# Altium PCB CL-HC-M-V2.1gerber.PcbDoc (part 12 of 16) (continued)
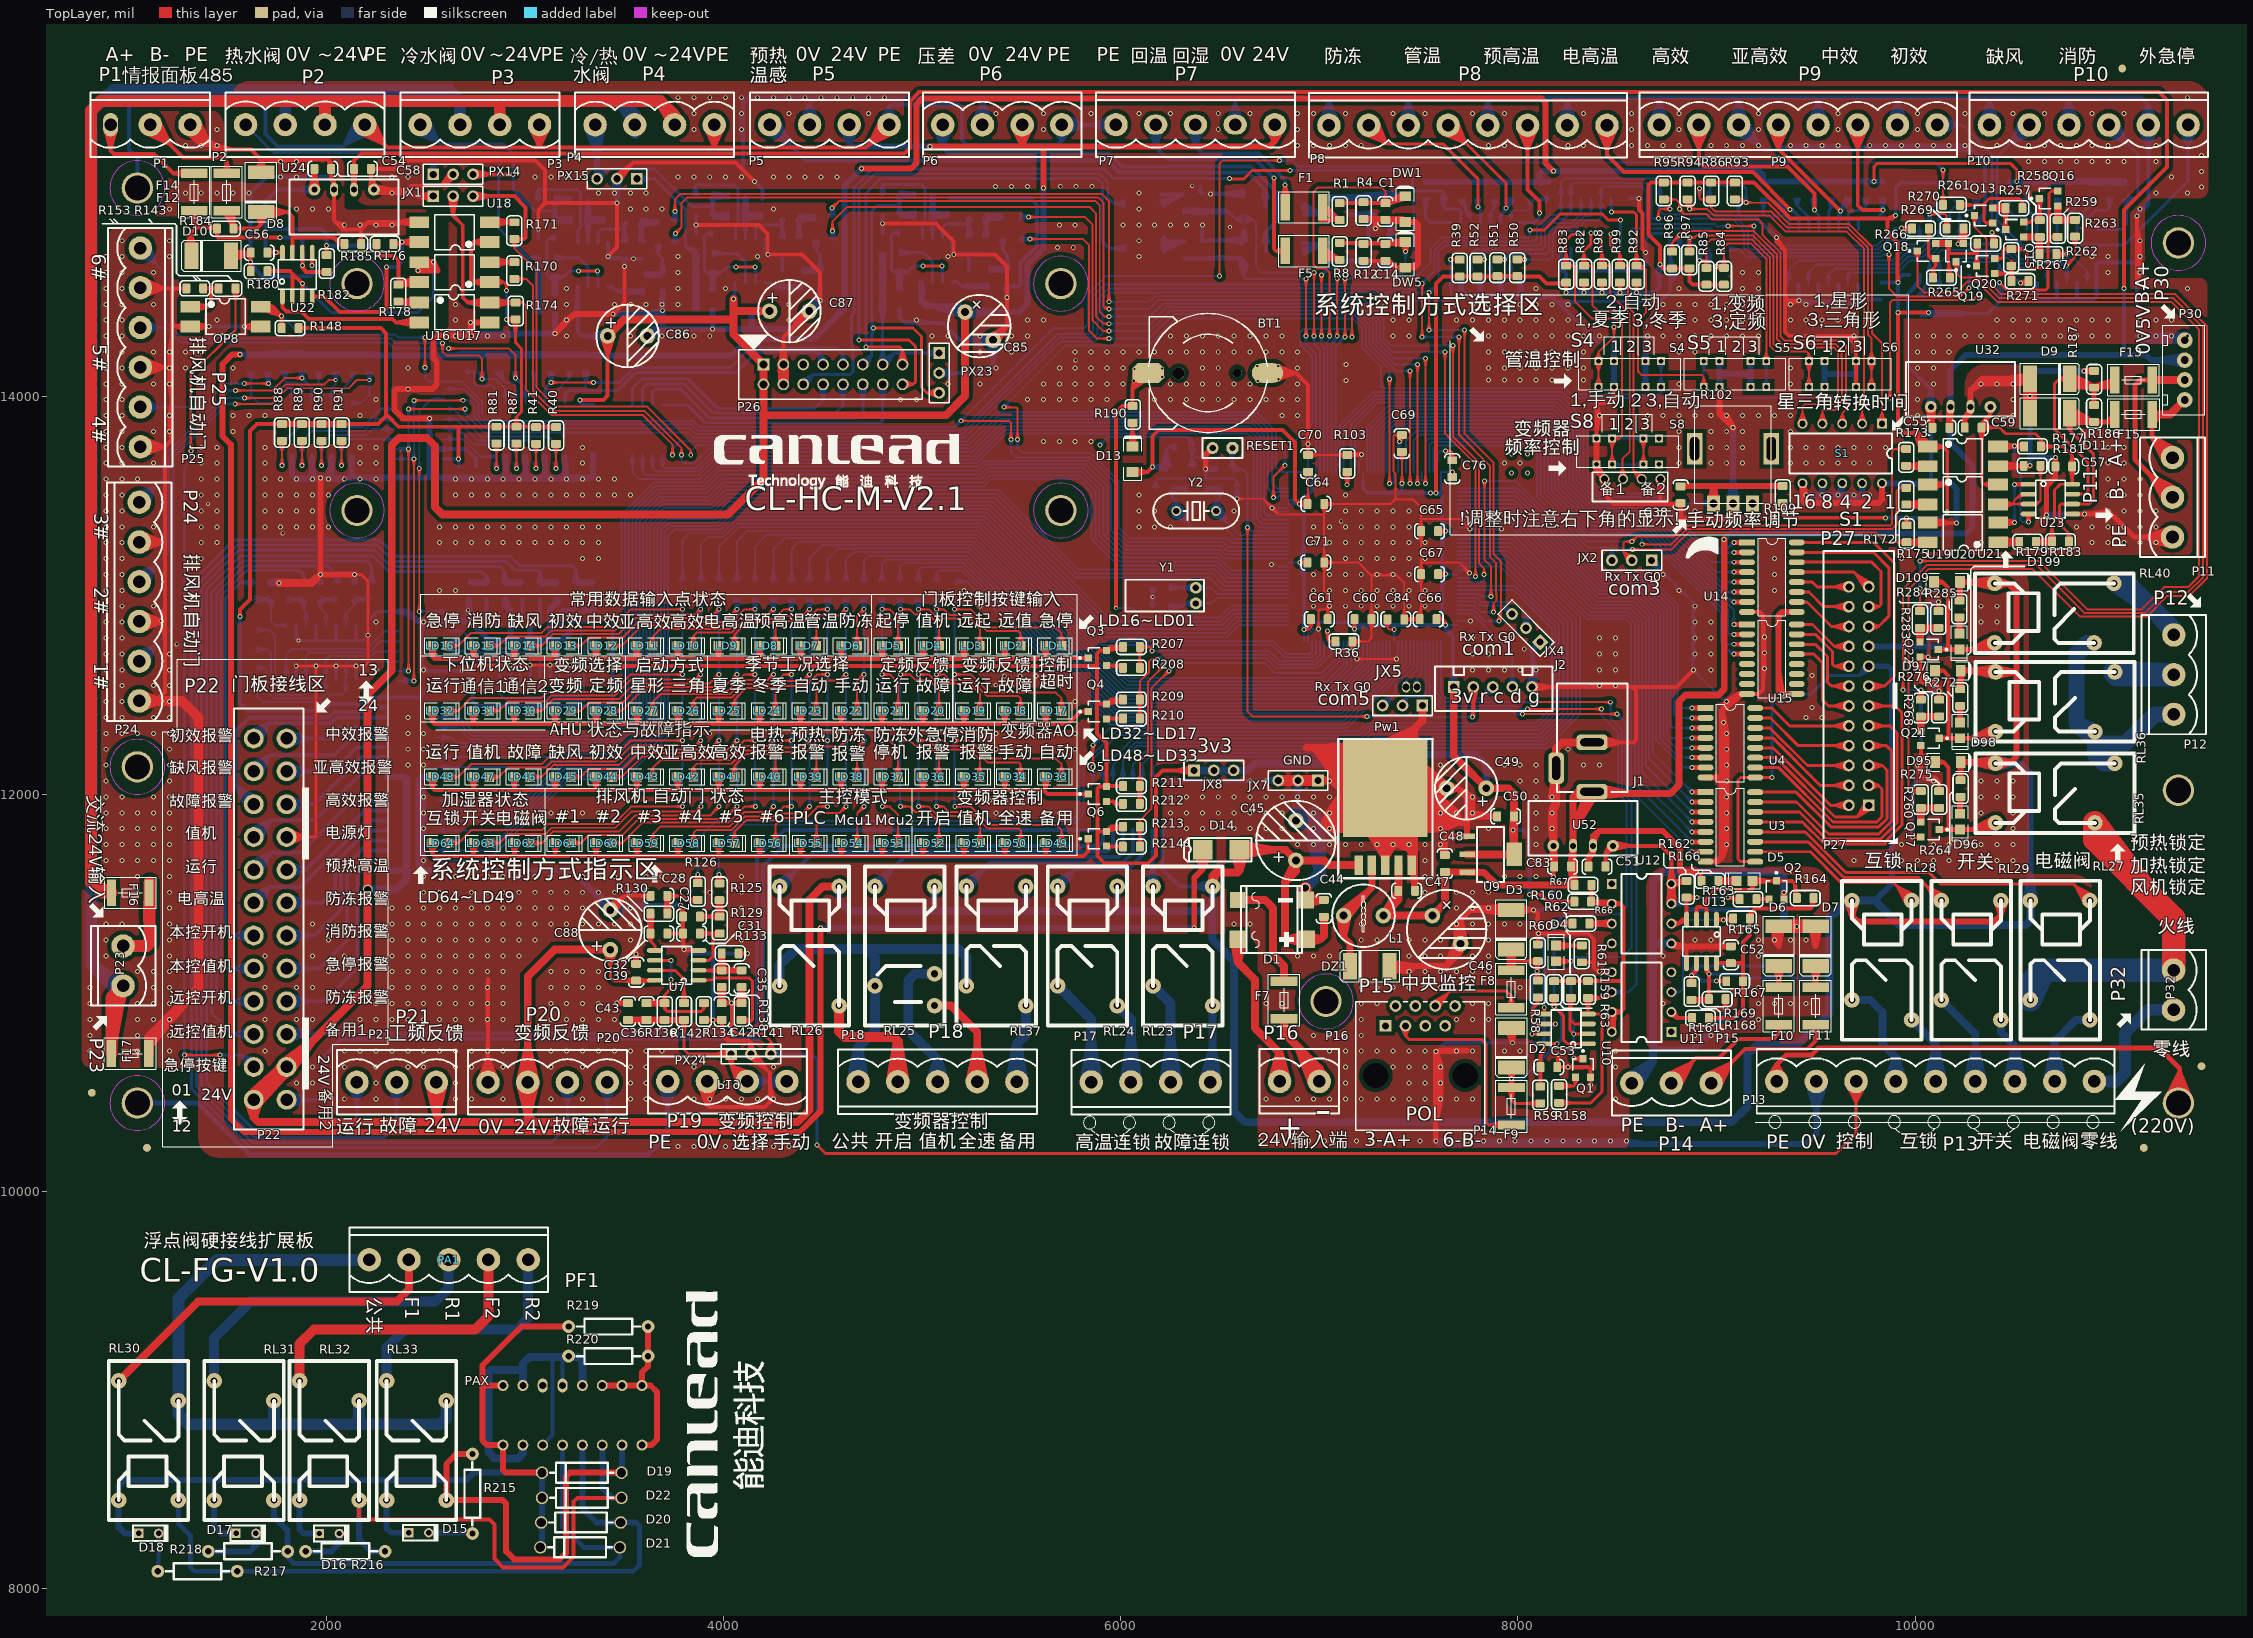
[diagram p0: TopLayer view]
## Nets (pads, with @x,y where several pads share a name; then routed paths per layer and width w, separated by ;. In a path a pad name is that pad's centre, name@x,y a point inside that pad or via, vN(x,y) a via of type N, cw(c..) or ccw(c..) an arc to the next point about the centre after c; other vN are vias at no path point) (continued)
NetD1_1: D1.1 F7.2 | length 585.4
  TopLayer w40: D1.1@6590.13,11466.78 6727.59,11466.78 6767.47,11426.9 6767.47,11189.95 6822.38,11135.04 F7.2@6822.38,11058.15
NetD2_K: D2.K F9.2 R58.2 R59.2 U10.6 | length 1871.1
  TopLayer w15: D2.K@7940.75,10616.48 v1(7967.38,10568.36) ; F9.2@7951.38,10521.37 7967.38,10458.04 ; F9.2@7951.51,10526.25 v1(7967.38,10568.36) ; D2.K@7954.96,10621.94 v1(7967.38,10568.36) ; D2.K@7967.38,10623.36 v1(7967.38,10568.36) ; D2.K@7979.79,10621.94 v1(7967.38,10568.36) ; F9.2@7983.24,10526.25 v1(7967.38,10568.36) ; F9.2@7983.37,10521.37 7967.38,10458.04 ; D2.K@7994,10616.48 v1(7967.38,10568.36) ; R58.2@8087.63,10973.86 8099.85,10946.68 ; U10.6@8104.38,10843.36 8081.75,10843.36 ; R59.2@8106.17,10430.92 8042.38,10443.36 ; R59.2@8106.17,10455.8 8042.38,10443.36 ; R59.2@8107.38,10443.36 8042.38,10443.36 ; R58.2@8112.08,10973.86 8099.85,10946.68 ; R59.2@8112.38,10443.36 7982.06,10443.36 7967.38,10458.04 ; 7967.38,10458.04 F9.2@7967.38,10523.36 v1(7967.38,10568.36) ; 8081.75,10843.36 8067.38,10857.73 8067.38,10914.2 8099.85,10946.68 ; 8081.75,10843.36 U10.6@8132.38,10843.36 ; 8099.85,10946.68 R58.2@8099.85,10976.48 8099.85,10946.68 ; U10.6@8132.38,10843.36 v1@8187.76,10843.36 ; U10.6@8132.38,10843.36 v1(8188.53,10842.59) ; v1@8187.76,10843.36 v1(8188.53,10842.59) ; v1@8187.76,10843.36 8160.38,10843.36 v1(8188.53,10842.59)
  BottomLayer w15: v1(7967.38,10568.36) 8023.41,10568.36 8162.38,10707.32 8162.38,10816.43 ; 8162.38,10816.43 v1(8188.53,10842.59) 8162.38,10816.43
NetD3_K: D3.K F8.2 R58.1 R60.2 U10.7 | length 3073.1
  TopLayer w15: D3.K@7939.37,11212.92 7966.46,11137.65 ; F8.2@7950.34,11113.1 7959.51,11181.75 ; F8.2@7950.45,11111.01 7950.4,11182.28 ; F8.2@7950.45,11114.74 7966.46,11181.47 F8.2@7982.47,11114.74 ; F8.2@7950.72,11116.32 7973.42,11181.75 ; F8.2@7951.27,11118.23 7982.53,11182.28 ; D3.K@7954,11216.67 7966.46,11137.65 ; D3.K@7966.46,11217.65 F8.2@7966.46,11112.85 ; 7966.94,11158.84 R60.2@8099.85,11158.84 ; D3.K@7978.92,11216.67 7966.46,11137.65 ; F8.2@7981.66,11118.23 7950.4,11182.28 ; F8.2@7982.21,11116.32 7959.51,11181.75 ; F8.2@7982.48,11111.01 7982.53,11182.28 ; F8.2@7982.58,11113.1 7973.42,11181.75 ; D3.K@7993.55,11212.92 7966.46,11137.65 ; R60.2@8093.65,11146.39 8029.85,11158.84 ; R60.2@8093.65,11171.28 8029.85,11158.84 ; R60.2@8094.85,11158.84 8029.85,11158.84 ; U10.7@8104.38,10793.36 v1(8071.54,10793.36) U10.7@8132.38,10793.36 ; 7950.4,11182.28 F8.2@7966.46,11112.85 ; F8.2@7951.22,11118.09 7966.46,11137.65 ; F8.2@7951.22,11118.09 7966.46,11137.65 ; F8.2@7951.22,11118.09 7966.46,11137.65 ; F8.2@7951.22,11118.09 7966.46,11137.65 ; 7959.51,11181.75 F8.2@7966.46,11112.85 ; F8.2@7966.46,11112.85 7982.53,11182.28 ; F8.2@7966.46,11112.85 7966.46,11137.65 ; F8.2@7966.46,11112.85 7966.46,11137.65 ; F8.2@7966.46,11112.85 7973.42,11181.75 ; F8.2@7966.46,11112.85 7966.46,11137.65 ; F8.2@7966.46,11112.85 7966.46,11137.65 ; 7966.46,11137.65 F8.2@7981.71,11118.09 ; 7966.46,11137.65 F8.2@7981.71,11118.09 ; 7966.46,11137.65 F8.2@7981.71,11118.09 ; 7966.46,11137.65 F8.2@7981.71,11118.09 ; v1(8096.23,11108.36) v1@8099.85,11108.36 ; v1(8096.23,11108.36) R58.1@8099.85,11061.48 v1@8099.85,11108.36 ; v1(8096.23,11108.36) R60.2@8099.85,11158.84 ; v1(8096.23,11108.36) 8112.26,11157.29 v1@8099.85,11108.36 ; v1(8096.23,11108.36) 8112.24,11063.15 v1@8099.85,11108.36 ; v1(8096.23,11108.36) 8087.45,11157.29 v1@8099.85,11108.36 ; v1(8096.23,11108.36) 8087.46,11063.15 v1@8099.85,11108.36 ; v1@8099.85,11108.36 R60.2@8099.85,11158.84
  BottomLayer w15: v1(8071.54,10793.36) 8071.54,11083.66 ; 8071.54,11083.66 v1(8096.23,11108.36) 8071.54,11083.66
NetD4_K: D4.K R61.1 | length 379.4
  TopLayer w20: D4.K@8192.38,11238.69 R61.1@8321.76,11238.69 ; D4.K@8193.7,11223.75 8277.38,11238.69 D4.K@8193.7,11253.64 ; 8236.76,11238.69 R61.1@8316.76,11238.69
NetD5_A: D5.A Q2.1 R164.2 U13.2 U13.3 | length 1221.5
  TopLayer w15: 8949.03,11426.27 8944.59,11430.71 8944.59,11469.62 8996.13,11521.16 9179.88,11521.16 9181.04,11522.32 ; D5.A@9163.93,11559.96 9181.04,11522.32 ; D5.A@9198.14,11559.96 9181.04,11522.32 ; 9181.04,11522.32 D5.A@9181.04,11563.66 9181.04,11522.32
  TopLayer w20: U13.3@8899.03,11368.36 8899.03,11425.23 ; U13.3@8899.03,11396.36 8899.03,11425.23 ; 8944.59,11430.71 8904.52,11430.71 8899.03,11425.23 ; U13.2@8949.03,11368.36 8949.03,11426.27 U13.2@8949.03,11396.36 ; D5.A@9181.04,11563.66 Q2.1@9301.04,11563.66 9380.87,11563.66 9394.37,11550.16 ; D5.A@9182.36,11548.72 9266.04,11563.66 D5.A@9182.36,11578.6 ; R164.2@9394.37,11476.82 9394.37,11550.16 ; R164.2@9403.75,11481.82 9394.37,11550.16
NetD5_K: D5.K R166.1 | length 952.5
  TopLayer w15: R166.1@9008.65,11563.66 D5.K@9101.04,11563.66 ; R166.1@9009.86,11551.22 9073.65,11563.66 ; R166.1@9009.86,11576.1 9073.65,11563.66 ; D5.K@9096.84,11546.67 9030.57,11572.06 ; D5.K@9096.84,11580.65 9030.57,11555.26 ; D5.K@9098.85,11546.3 9031.04,11563.66 D5.K@9098.85,11581.02 ; D5.K@9100.95,11546.16 9030.57,11555.26 ; D5.K@9100.95,11581.16 9030.57,11572.06 ; 9030.57,11555.26 D5.K@9101.04,11563.66 ; 9030.57,11572.06 D5.K@9101.04,11563.66 ; 9073.65,11563.66 9095.45,11547.08 9073.65,11563.66 ; 9073.65,11563.66 9095.45,11580.24 9073.65,11563.66 ; 9073.65,11563.66 D5.K@9101.04,11563.66 ; 9073.65,11563.66 D5.K@9101.04,11563.66
NetD6_K: D6.K F10.2 R168.1 R169.2 U13.7 | length 1502
  TopLayer w20: R169.2@8960.76,10968.36 v1(8960.76,11095.67) ; R169.2@8960.76,10973.36 8960.76,11053.36 ; 8960.76,11023.17 v1(8960.76,11095.67) ; 8949.03,11107.39 v1(8960.76,11095.67) ; 8949.03,11107.39 U13.7@8949.03,11148.36 v1(8960.76,11095.67) ; 8949.03,11107.39 U13.7@8949.03,11120.36 ; 8949.03,11107.39 U13.7@8949.03,11120.36 ; U13.7@8949.03,11120.36 v1(8960.76,11095.67) ; U13.7@8949.03,11120.36 v1(8960.76,11095.67) ; U13.7@8949.03,11120.36 v1(8960.76,11095.67) ; U13.7@8949.03,11120.36 v1(8960.76,11095.67)
  TopLayer w30: D6.K@9293.18,11131.83 v1(9312.92,11073.51) ; F10.2@9312.92,11027.85 v1(9312.92,11073.51) ; D6.K@9312.92,11135.08 v1(9312.92,11073.51) ; D6.K@9332.65,11131.83 v1(9312.92,11073.51) ; R168.1@8874.29,10963.36 8955.76,10963.36 8879.29,10963.36 R169.2@8960.76,10968.36 R168.1@8874.29,10963.36
  BottomLayer w15: v1(8960.76,11095.67) 9134,11095.67 9156.15,11073.51 v1(9312.92,11073.51) 9255.42,11073.51
NetD7_K: D7.K F11.2 R167.2 R168.2 U13.6 | length 1412
  TopLayer w20: U13.6@8899.03,11120.36 v1(8874.29,11087.58) ; U13.6@8899.03,11148.36 8899.03,11112.33 v1(8874.29,11087.58) ; v1(8874.29,11087.58) R168.2@8874.29,11048.36 v1(8874.29,11087.58) ; v1(8999.24,11058.15) R167.2@9048.56,11058.15 v1(8999.24,11058.15)
  TopLayer w30: D7.K@9478.73,11131.41 v1(9498.46,11074.3) ; F11.2@9498.46,11027.48 v1(9498.46,11074.3) ; D7.K@9498.46,11134.72 v1(9498.46,11074.3) ; D7.K@9518.18,11131.41 v1(9498.46,11074.3)
  BottomLayer w15: v1(8874.29,11087.58) 8874.29,11121.71 8886.46,11133.88 9326.55,11133.88 9386.13,11074.3 v1(9498.46,11074.3)
  BottomLayer w20: v1(8874.29,11087.58) 8900.26,11087.58 8929.69,11058.15 ; 8929.69,11058.15 v1(8999.24,11058.15) 8929.69,11058.15
NetD8_K: D8.K F12.2 R184.1 R185.2 U22.7 | length 2090.5
  TopLayer w20: F12.2@1487.27,14930.83 R184.1@1534.6,14846.7 ; F12.2@1491.12,14923.99 R184.1@1534.6,14851.7 ; F12.2@1499.59,14936.66 R184.1@1534.6,14846.7 ; F12.2@1503.11,14927.61 R184.1@1534.6,14851.7 ; F12.2@1512.6,14940.69 R184.1@1534.6,14846.7 ; F12.2@1515.07,14930.12 R184.1@1534.6,14851.7 ; F12.2@1534.6,14931.7 R184.1@1534.6,14851.7 ; F12.2@1534.6,14941.87 R184.1@1534.6,14846.7 ; D8.K@1647.86,14925.74 1672.38,14866.72 ; D8.K@1696.89,14925.74 1672.38,14866.72 ; D8.K@1704.3,14930.63 1799.3,14930.63 ; D8.K@1707.59,14905.84 1799.3,14930.63 ; D8.K@1707.59,14955.41 1799.3,14930.63 ; U22.7@1829.78,14725.9 1829.78,14802.15 ; U22.7@1829.78,14753.9 1829.78,14802.15 ; R185.2@2091.49,14774.93 2036.47,14802.15 ; R184.1@1534.6,14846.7 1652.35,14846.7 1672.38,14866.72 ; 1672.38,14866.72 D8.K@1672.38,14930.63 1805.91,14930.63 1829.78,14906.76 1829.78,14802.15 ; 1829.78,14802.15 2036.47,14802.15 ; 2036.47,14802.15 2068.68,14769.93 ; 2068.68,14769.93 R185.2@2091.49,14769.93 2068.68,14769.93
NetD9_K: D9.K F13.2 R186.1 R187.2 U23.7 | length 2517.4
  TopLayer w15: D9.K@10770.5,14065.03 10727.59,14091.48 ; D9.K@10770.5,14117.94 10727.59,14091.48 ; D9.K@10776.45,14079.08 10727.59,14091.48 ; D9.K@10776.45,14103.89 10727.59,14091.48 ; D9.K@10778,14091.48 10727.59,14091.48 ; U23.7@10790.81,13510.1 10856.2,13510.1 ; U23.7@10818.81,13510.1 10856.2,13510.1 ; 10727.59,14091.48 10700.41,14064.31 10700.41,13839.31 10870.41,13669.31 10870.41,13524.31 10856.2,13510.1
  TopLayer w25: D9.K@10772.86,14069.58 R187.2@10905.66,14049.99 ; D9.K@10778,14091.48 R187.2@10905.66,14049.99 ; D9.K@10786.73,14112.22 R187.2@10905.66,14049.99 ; D9.K@10787.29,14049.99 10999.18,14049.99 10905.45,14045.98 F13.2@10996.04,14082.54 ; D9.K@10800.25,14049.99 R187.2@10895.45,14045.98 ; D9.K@10801.57,14065.34 R187.2@10895.45,14045.98 ; D9.K@10805.17,14082.65 R187.2@10895.45,14045.98 ; D9.K@10810.85,14099.6 R187.2@10895.45,14045.98 ; R187.2@10887.85,14049.99 F13.2@11004.18,14084.99 ; R186.1@10898.48,13956.75 R186.1@10900.45,13958.72 ; R186.1@10900.45,13958.72 R187.2@10900.45,14045.98 R186.1@10900.45,13958.72
NetD10_K: D10.K F14.2 R182.1 R184.2 U22.6 | length 1956.1
  TopLayer w20: D10.K@1296.43,14743.79 1315.62,14823.08 ; D10.K@1321.34,14709.77 1315.62,14715.5 1315.62,14823.08 ; D10.K@1321.34,14741.7 1315.62,14823.08 ; F14.2@1322.22,14934.09 1344.32,14852.13 ; F14.2@1335.62,14936.57 1344.32,14852.13 ; F14.2@1344.32,14936.57 1344.32,14851.78 ; D10.K@1345.72,14747.26 1315.62,14823.08 ; F14.2@1349.24,14936.87 1344.32,14852.13 ; 1369.05,14851.78 R184.2@1449.6,14846.7 ; R184.2@1449.6,14841.7 1449.6,14806.49 ; v1(1768.77,14801.7) 1454.39,14801.7 1449.6,14806.49 ; U22.6@1879.78,14697.9 v1(1879.78,14660.91) ; U22.6@1879.78,14725.9 v1(1879.78,14660.91) ; 1917.4,14629.18 R182.1@1997.4,14629.18 ; R182.1@2002.4,14629.18 1898.61,14629.18 ; 1315.62,14823.08 1344.32,14851.78 ; 1344.32,14851.78 1444.52,14851.78 R184.2@1449.6,14846.7 ; 1449.6,14806.49 R184.2@1449.6,14846.7 ; 1879.78,14648.01 1898.61,14629.18 ; 1879.78,14648.01 v1(1879.78,14660.91) ; 1879.78,14648.01 v1(1879.78,14660.91) ; 1879.78,14648.01 v1(1879.78,14660.91) ; v1(1879.78,14660.91) 1898.61,14629.18
  BottomLayer w20: v1(1768.77,14801.7) 1864.67,14801.7 1879.78,14786.6 v1(1879.78,14660.91)
NetD11_K: D11.K F15.2 R183.1 R186.2 U23.6 | length 2405.2
  TopLayer w15: D11.K@10751.42,13878.19 10778,13831.72 ; R183.1@10761.9,13279.45 10774.2,13312.71 ; U23.6@10762.81,13460.1 10733.75,13460.1 ; D11.K@10765.59,13883.79 10778,13831.72 ; R183.1@10774.2,13272.25 10774.2,13312.71 ; R183.1@10774.2,13277.25 10774.2,13312.71 ; D11.K@10778,13871.45 10778,13831.72 ; D11.K@10778,13885.25 10778,13831.72 ; R183.1@10786.51,13279.45 10774.2,13312.71 ; D11.K@10790.42,13883.79 10778,13831.72 ; D11.K@10804.58,13878.19 10778,13831.72 ; U23.6@10818.81,13460.1 10875.81,13460.1 ; 10733.75,13460.1 U23.6@10790.81,13460.1 10876.2,13460.1 10898.48,13482.37 10898.48,13711.24 10778,13831.72 ; 10733.75,13460.1 10726.14,13452.5 10726.14,13360.77 10774.2,13312.71
  TopLayer w25: D11.K@10771.97,13895.5 R186.2@10900.41,13871.45 ; D11.K@10778,13871.45 R186.2@10900.41,13871.45 ; D11.K@10778,13917.18 R186.2@10900.41,13871.45 ; D11.K@10787.66,13937.5 R186.2@10900.41,13871.45 ; D11.K@10800.38,13871.45 R186.2@10895.45,13873.72 ; D11.K@10801.34,13890 R186.2@10895.45,13873.72 ; D11.K@10804.55,13907.26 R186.2@10895.45,13873.72 ; D11.K@10809.92,13924.46 R186.2@10895.45,13873.72 ; R186.2@10905.45,13873.72 10965.97,13873.72 ; F15.2@11003.7,13868.15 10965.97,13873.72 ; F15.2@11003.7,13911.45 10965.97,13873.72 ; R186.2@10900.41,13871.45 R186.2@10900.45,13873.72 10965.97,13873.72
NetD13_2: D13.2 R190.1 | length 288.1
  TopLayer w20: D13.2@6045.52,13752.45 6060.46,13836.13 D13.2@6075.4,13752.45 ; D13.2@6060.46,13751.13 R190.1@6060.46,13869.25
NetD15_K: D15.K R215.1 | length 221.6
  BottomLayer w30: D15.K@2516.39,8281.6 2732.5,8281.6 R215.1@2736.39,8277.71
NetD16_K: D16.K R216.1 | length 236.6
  BottomLayer w30: R216.1@1896.39,8187.71 2026.39,8187.71 2066.39,8227.71 D16.K@2066.39,8277.71
NetD17_K: D17.K R217.1 | length 312.9
  BottomLayer w30: R217.1@1406.39,8187.71 1616.39,8187.71 1646.39,8217.71 D17.K@1646.39,8278.23
NetD18_K: D18.K R218.1 | length 192.2
  BottomLayer w20: R218.1@1152.37,8087.71 1156.39,8091.73 D18.K@1156.39,8278.23
NetD37_K: 
NetD38_K: 
NetD39_K: 
NetD40_K: 
NetD41_K: 
NetD42_K: 
NetD43_K: 
NetD44_K: 
NetD45_K: 
NetD46_K: 
NetD47_K: 
NetD48_K: 
NetD49_K: 
NetD50_K: 
NetD51_K: 
NetD52_K: 
NetD53_K: 
NetD54_K: 
NetD55_K: 
NetD61_K: 
NetD65_K: 
NetD67_K: 
NetD95_A: D95.A D96.K Q17.1 RL35.2 | length 1338.2
  TopLayer w20: D95.A@10099.38,12161.36 10141.38,12161.36 ; D95.A@10102.05,12146.6 10141.38,12161.36 ; D95.A@10102.05,12176.12 10141.38,12161.36 ; 10167.99,11824.97 10167.99,12134.74 10141.38,12161.36
  TopLayer w25: D96.K@10214.35,11821.36 10121.64,11821.36 10167.99,11824.97 Q17.1@10120.65,11821.36 D96.K@10226.39,11821.36 10370.73,11821.36 RL35.2@10404.37,11855 10282.07,11821.36 ; RL35.2@10394.53,11880 10282.07,11821.36 ; RL35.2@10408.71,11828.48 10282.07,11821.36
NetD96_A: D96.A R264.2 | length 168.9
  TopLayer w30: D96.A@10226.39,11901.36 10226.39,11983.36 R264.2@10228.39,11985.36 D96.A@10226.39,11901.36
NetD97_A: D97.A D98.K Q21.1 RL36.2 | length 1338.2
  TopLayer w20: D97.A@10099.38,12621.37 10141.38,12621.37 ; D97.A@10102.05,12606.61 10141.38,12621.37 ; D97.A@10102.05,12636.13 10141.38,12621.37 ; 10167.99,12284.99 10167.99,12594.76 10141.38,12621.37
  TopLayer w25: D98.K@10214.35,12281.37 10121.64,12281.37 10167.99,12284.99 Q21.1@10120.65,12281.37 D98.K@10226.39,12281.37 10370.73,12281.37 RL36.2@10404.37,12315.01 10282.07,12281.37 ; RL36.2@10394.53,12340.02 10282.07,12281.37 ; RL36.2@10408.71,12288.49 10282.07,12281.37
NetD98_A: D98.A R272.2 | length 82
  TopLayer w30: D98.A@10226.39,12361.37 R272.2@10226.39,12443.37
NetD109_A: D109.A D199.K Q22.1 RL40.2 | length 1338.2
  TopLayer w20: D109.A@10095.32,13067.82 10137.32,13067.82 ; D109.A@10098,13053.06 10137.32,13067.82 ; D109.A@10098,13082.58 10137.32,13067.82 ; 10163.94,12731.43 10163.94,13041.2 10137.32,13067.82
  TopLayer w25: D199.K@10210.3,12727.82 10117.58,12727.82 10163.94,12731.43 Q22.1@10116.6,12727.82 D199.K@10222.34,12727.82 10366.67,12727.82 RL40.2@10400.31,12761.46 10278.02,12727.82 ; RL40.2@10390.48,12786.46 10278.02,12727.82 ; RL40.2@10404.65,12734.94 10278.02,12727.82
NetD110_A: 
NetD199_A: D199.A R285.2 | length 82
  TopLayer w30: D199.A@10222.34,12807.82 R285.2@10222.34,12889.82
NetDZ1_K: DZ1.K L1.1 Pw1.2 | length 1284.9
  TopLayer w35: L1.1@7100.62,11386.15 7122.38,11280.09 ; L1.1@7108,11404.84 7235.99,11501.97 L1.1@7138.86,11373.98 ; L1.1@7144.13,11386.15 7122.38,11280.09 ; DZ1.K@7153.77,11134.27 7153.77,11248.69 ; DZ1.K@7153.77,11166.2 7153.77,11248.69 ; Pw1.2@7264.81,11614.69 7264.81,11530.79 ; Pw1.2@7264.81,11642.84 7264.81,11530.79 ; 7122.38,11280.09 7153.77,11248.69 ; 7122.38,11280.09 L1.1@7122.38,11388.36 7264.81,11530.79
NetF1_2: F1.2 R1.2 | length 758.1
  TopLayer w20: F1.2@7003.99,14890.04 R1.2@7102.76,14890.04 ; F1.2@7009.71,14943.69 R1.2@7102.76,14890.04 ; F1.2@7017.25,14955.04 R1.2@7102.76,14890.04 ; F1.2@7017.76,14890.04 R1.2@7097.76,14890.04 ; F1.2@7025.78,14934.42 R1.2@7097.76,14890.04 ; F1.2@7026.16,14965.34 R1.2@7102.76,14890.04 ; F1.2@7029.99,14945.35 R1.2@7097.76,14890.04 ; F1.2@7039.63,14952.1 R1.2@7097.76,14890.04
NetF2_2: F2.2 R2.2 | length 884.3
  BottomLayer w20: F2.2@6210.93,14776.46 6236.73,14782 ; F2.2@6210.95,14782 R2.2@6321.73,14782 ; F2.2@6211.61,14790.07 6236.73,14782 ; F2.2@6218.98,14801.52 6236.73,14782 ; R2.2@6316.73,14782 6236.73,14782 ; R2.2@6307.72,14782 6207.78,14759.83 R2.2@6307.77,14782 ; R2.2@6307.72,14782 6217.14,14734.31 R2.2@6307.77,14782 ; R2.2@6307.72,14782 F2.2@6211.61,14746.76 R2.2@6307.77,14782
NetF3_2: F3.2 R3.2 | length 542.7
  BottomLayer w20: F3.2@6914.27,14944.75 7021.2,14917.19 ; F3.2@6918.48,14957.71 7021.2,14917.19 ; F3.2@6922.38,14917.19 R3.2@7053.81,14917.19 ; F3.2@6924.25,14970.05 7021.2,14917.19 ; 6968.81,14917.19 R3.2@7048.81,14917.19
NetF4_2: F4.2 R7.2 | length 850.2
  BottomLayer w20: F4.2@6912.38,14773.36 R7.2@7043.81,14773.36 ; F4.2@6916.08,14747.16 R7.2@7017.1,14773.36 ; F4.2@6916.78,14747.37 R7.2@7023.04,14769.21 ; F4.2@6925.55,14721.63 R7.2@7023.04,14769.21 ; F4.2@6926.28,14721.96 R7.2@7017.1,14773.36 ; F4.2@6942.91,14773.36 R7.2@7023.04,14769.21 ; R7.2@7017.1,14773.36 F4.2@6920.36,14734.23 R7.2@7023.04,14769.21
NetF5_2: F5.2 R8.2 | length 733.1
  TopLayer w20: F5.2@7012.22,14722.38 R8.2@7102.76,14693.71 ; F5.2@7017.25,14691.73 7042.38,14693.71 ; F5.2@7017.25,14735.04 R8.2@7102.76,14693.71 ; F5.2@7019.89,14705.09 7042.38,14693.71 ; F5.2@7021.2,14719.53 R8.2@7097.76,14690.04 ; F5.2@7021.95,14678.94 7042.38,14693.71 ; F5.2@7024.04,14746.85 R8.2@7102.76,14693.71 ; F5.2@7024.66,14731.45 R8.2@7097.76,14690.04 ; F5.2@7029.13,14743.41 R8.2@7097.76,14690.04 ; R8.2@7102.76,14690.04 R8.2@7102.76,14693.71 ; 7042.38,14693.71 R8.2@7102.76,14693.71 ; 7042.38,14693.71 R8.2@7097.76,14690.04
NetF6_2: F6.2 R9.2 | length 839.2
  BottomLayer w20: F6.2@6202.45,15019.91 R9.2@6313.23,15019.91 ; F6.2@6206.55,14986.61 R9.2@6308.23,15019.91 ; F6.2@6206.65,14986.65 R9.2@6310.6,15019.91 ; F6.2@6218.1,14961.99 R9.2@6310.6,15019.91 ; F6.2@6218.23,14962.06 R9.2@6308.23,15019.91 ; F6.2@6228.23,15019.91 R9.2@6308.23,15019.91 ; R9.2@6308.23,15019.91 F6.2@6211.61,14973.96 R9.2@6310.6,15019.91
NetF16_2: F16.2 P23.2 | length 649
  TopLayer w60: P23.2@977.49,11235.5 1097.02,11235.5 1110.76,11249.24 F16.2@1110.76,11555.62 ; F16.2@1108.01,11460.11 1110.76,11256.47
NetOP1_1: OP1.1 R22.2 | length 463.9
  BottomLayer w15: R22.2@10454.14,14994.16 10463.86,14945.15 ; R22.2@10478.9,14992.79 10463.86,14945.15 ; OP1.1@10563.86,14843.5 10563.86,14895.66 ; 10463.86,14945.15 10498.96,14910.05 10549.47,14910.05 ; 10463.86,14945.15 10463.86,14998.5 R22.2@10466.61,14995.04 10463.86,14945.15 ; 10549.47,14910.05 10563.86,14895.66 ; 10549.47,14910.05 OP1.1@10563.86,14873.5 ; OP1.1@10563.86,14873.5 10563.86,14895.66 ; OP1.1@10563.86,14873.5 10563.86,14895.66
NetOP1_3: OP1.3 R20.2 | length 353.8
  BottomLayer w15: R20.2@10621.48,14996.79 10633.86,14952.81 ; R20.2@10646.24,14996.79 10633.86,14952.81 ; OP1.3@10663.86,14843.5 10663.86,14922.81 ; OP1.3@10663.86,14873.5 10663.86,14922.81 ; 10633.86,14952.81 10663.86,14922.81 ; 10633.86,14952.81 R20.2@10633.86,14998.5 10633.86,14952.81
NetOP1_5: OP1.5 R18.2 | length 354.4
  BottomLayer w15: OP1.5@10763.86,14843.5 10763.86,14908.5 ; OP1.5@10763.86,14873.5 10763.86,14908.5 ; R18.2@10792.31,14996.91 10804.71,14949.35 ; R18.2@10817.1,14996.91 10804.71,14949.35 ; 10763.86,14908.5 10804.71,14949.35 ; 10804.71,14949.35 R18.2@10804.71,14998.5 10804.71,14949.35
NetOP1_7: OP1.7 R10.2 | length 344.6
  BottomLayer w15: OP1.7@10863.86,14843.5 10863.86,14896.6 ; OP1.7@10863.86,14873.5 10863.86,14896.6 ; R10.2@10966.49,14996.68 10978.86,14955.49 ; R10.2@10978.86,14998.5 10978.86,14955.49 ; R10.2@10991.23,14996.68 10978.86,14955.49 ; 10863.86,14896.6 10905.95,14938.69 10962.07,14938.69 10978.86,14955.49
NetOP2_1: OP2.1 R30.2 | length 494.2
  BottomLayer w15: R30.2@9222.4,14997.3 9234.85,14933.5 ; R30.2@9247.29,14997.3 9234.85,14933.5 ; OP2.1@9362.76,14865.04 9364.85,14895.66 ; OP2.1@9364.85,14843.5 9364.85,14895.66 ; 9234.85,14933.5 R30.2@9234.85,14998.5 9234.85,14923.79 9248.59,14910.05 9350.46,14910.05 9364.85,14895.66
NetOP2_3: OP2.3 R28.2 | length 322.9
  BottomLayer w15: R28.2@9392.55,14996.25 9404.85,14963.75 ; R28.2@9417.14,14996.25 9404.85,14963.75 ; OP2.3@9462.76,14865.04 9464.85,14903.76 ; OP2.3@9464.85,14843.5 9464.85,14903.76 ; 9404.85,14963.75 R28.2@9404.85,14998.5 9404.85,14963.75 ; 9404.85,14963.75 9464.85,14903.76
NetOP2_5: OP2.5 R26.2 | length 317.9
  BottomLayer w15: OP2.5@9562.76,14865.04 9564.85,14925.06 ; R26.2@9563.29,14996.91 9575.69,14949.35 ; OP2.5@9564.85,14843.5 9564.85,14938.5 9575.69,14949.35 ; R26.2@9575.69,14998.5 9575.69,14949.35 ; R26.2@9588.09,14996.91 9575.69,14949.35
NetOP2_7: OP2.7 R24.2 | length 369.2
  BottomLayer w15: OP2.7@9662.76,14865.04 9664.85,14925.05 ; OP2.7@9664.85,14843.5 9664.85,14926.6 9676.94,14938.69 9733.05,14938.69 9749.85,14955.49 ; R24.2@9737.48,14996.68 9749.85,14955.49 ; R24.2@9749.85,14998.5 9749.85,14955.49 ; R24.2@9762.21,14996.68 9749.85,14955.49
NetOP3_1: OP3.1 R15.2 | length 365.2
  BottomLayer w15: R15.2@7523.19,14997.58 7535.63,14933.78 R15.2@7548.07,14997.58 ; R15.2@7535.63,14998.78 7535.63,14899.56 7557.95,14877.24 OP3.1@7662.38,14877.24
NetOP3_3: OP3.3 R37.2 | length 647.3
  BottomLayer w10: R37.2@7704.98,14988.19 7740.73,14943.58 ; R37.2@7717.81,14995.95 7740.73,14943.58 ; R37.2@7732.22,15000.11 7740.73,14943.58 ; OP3.3@7753.81,14902.09 7725.57,14958.74 ; OP3.3@7762.38,14877.24 7762.38,14921.94 7712.81,14971.5 ; OP3.3@7762.38,14907.24 7725.57,14958.74 ; OP3.3@7770.03,14913.68 7725.57,14958.74 ; 7712.81,14971.5 R37.2@7712.81,14995.95 ; 7712.81,14971.5 7727.09,14991.35 7712.81,14971.5 ; 7712.81,14971.5 7698.53,14991.35 7712.81,14971.5 ; 7712.81,14971.5 R37.2@7712.81,14995.95 ; 7712.81,14971.5 R37.2@7712.81,14995.95
NetOP3_5: OP3.5 R34.2 | length 332
  BottomLayer w10: OP3.5@7852.6,14909.35 7862.38,14930.97 ; OP3.5@7862.38,14877.24 7862.38,14930.97 ; OP3.5@7862.38,14907.24 7862.38,14930.97 ; R34.2@7868.02,14993.43 7882.81,14951.41 ; OP3.5@7872.15,14909.35 7862.38,14930.97 ; R34.2@7897.6,14993.43 7882.81,14951.41 ; 7862.38,14930.97 7882.81,14951.41 ; 7882.81,14951.41 R34.2@7882.81,14995.95 7882.81,14951.41
NetOP3_7: OP3.7 R32.2 | length 356
  BottomLayer w10: OP3.7@7952.61,14909.38 7962.38,14930.61 ; OP3.7@7962.38,14877.24 7962.38,14930.61 ; OP3.7@7962.38,14907.24 7962.38,14930.61 ; OP3.7@7972.14,14909.38 7962.38,14930.61 ; R32.2@8048.07,14993.18 8062.81,14955.33 ; R32.2@8062.81,14995.95 8062.81,14955.33 ; R32.2@8077.55,14993.18 8062.81,14955.33 ; 7962.38,14930.61 7971.32,14939.56 8047.04,14939.56 8062.81,14955.33
NetOP4_1: OP4.1 R53.2 | length 506.7
  BottomLayer w10: R53.2@2697.38,14128.36 2737.12,14128.36 ; R53.2@2702.38,14128.36 2737.12,14128.36 ; R53.2@2705.61,14113.71 2737.12,14128.36 ; R53.2@2705.61,14143 2737.12,14128.36 ; OP4.1@2842.85,14001.39 2852.76,14037.11 ; OP4.1@2852.76,13970.04 2852.76,14037.11 ; OP4.1@2852.76,14000.04 2852.76,14037.11 ; OP4.1@2862.67,14001.39 2852.76,14037.11 ; 2737.12,14128.36 2743.96,14121.51 2743.96,14068.57 2755.98,14056.55 2833.32,14056.55 2852.76,14037.11
NetOP4_3: OP4.3 R55.2 | length 664.3
  BottomLayer w10: R55.2@2859.46,14120.73 2893.86,14077.23 ; R55.2@2872.38,14128.36 2893.86,14077.23 ; R55.2@2886.86,14132.25 2893.86,14077.23 ; OP4.3@2942.82,14001.15 2952.76,14045.04 ; OP4.3@2952.76,13970.04 2952.76,14054.79 2936.17,14071.39 2899.7,14071.39 2867.38,14103.71 ; OP4.3@2952.76,14000.04 2952.76,14045.04 ; OP4.3@2962.7,14001.15 2952.76,14045.04 ; 2867.38,14103.71 R55.2@2867.38,14128.36 ; 2867.38,14103.71 2881.66,14123.79 2867.38,14103.71 ; 2867.38,14103.71 2853.09,14123.79 2867.38,14103.71 ; 2867.38,14103.71 R55.2@2867.38,14128.36 ; 2867.38,14103.71 R55.2@2867.38,14128.36
NetOP4_5: OP4.5 R17.2 | length 395.5
  BottomLayer w10: R17.2@3032.54,14126.11 3047.38,14078.36 R17.2@3062.21,14126.11 ; OP4.5@3042.82,14001.15 3052.76,14045.04 ; R17.2@3047.38,14128.36 3047.38,14061.91 3052.76,14056.52 OP4.5@3052.76,13970.04 ; OP4.5@3052.76,14000.04 3052.76,14045.04 ; OP4.5@3062.7,14001.15 3052.76,14045.04
NetOP4_7: OP4.7 R16.2 | length 328.9
  BottomLayer w10: OP4.7@3142.97,14002.09 3152.76,14024.4 ; OP4.7@3152.76,13970.04 3152.76,14024.4 ; OP4.7@3152.76,14000.04 3152.76,14024.4 ; OP4.7@3162.55,14002.09 3152.76,14024.4 ; R16.2@3207.74,14125.08 3222.38,14094.01 ; R16.2@3222.38,14128.36 3222.38,14094.01 ; R16.2@3237.01,14125.08 3222.38,14094.01 ; 3152.76,14024.4 3222.38,14094.01
NetOP5_1: OP5.1 R57.2 | length 532.3
  BottomLayer w10: R57.2@1607.54,14126.11 1622.38,14078.36 ; R57.2@1637.21,14126.11 1622.38,14078.36 ; OP5.1@1776.65,13960.1 1732.76,13970.04 OP5.1@1776.65,13979.98 ; OP5.1@1777.76,13970.04 1658.98,13970.04 1622.38,14006.64 R57.2@1622.38,14128.36 1622.38,14078.36
NetOP5_3: OP5.3 R65.2 | length 451.4
  BottomLayer w10: R65.2@1777.58,14127.11 1792.38,14083.74 ; R65.2@1792.38,14129.57 1792.38,14083.74 ; R65.2@1807.17,14127.11 1792.38,14083.74 ; OP5.3@1867.82,14001.15 1877.76,14045.04 ; OP5.3@1877.76,13970.04 1877.76,14049.38 1855.75,14071.39 1804.73,14071.39 1792.38,14083.74 ; OP5.3@1877.76,14000.04 1877.76,14045.04 ; OP5.3@1887.7,14001.15 1877.76,14045.04
NetOP5_5: OP5.5 R73.2 | length 399.7
  BottomLayer w10: R73.2@1947.54,14126.11 1962.38,14078.36 R73.2@1977.21,14126.11 ; R73.2@1962.38,14128.36 1962.38,14071.91 1977.76,14056.52 OP5.5@1977.76,13970.04 ; OP5.5@1967.82,14001.15 1977.76,14045.04 ; OP5.5@1977.76,14000.04 1977.76,14045.04 ; OP5.5@1987.7,14001.15 1977.76,14045.04
NetOP5_7: OP5.7 R79.2 | length 363.2
  BottomLayer w10: OP5.7@2067.86,14001.47 2077.76,14034.89 ; OP5.7@2077.76,13970.04 2077.76,14034.89 ; OP5.7@2077.76,14000.04 2077.76,14034.89 ; OP5.7@2087.66,14001.47 2077.76,14034.89 ; R79.2@2117.66,14125.46 2132.38,14089.5 ; R79.2@2132.38,14128.36 2132.38,14089.5 ; R79.2@2147.09,14125.46 2132.38,14089.5 ; 2077.76,14034.89 2132.38,14089.5
NetOP6_1: OP6.1 R144.2 R154.1 | length 1503.3
  BottomLayer w10: R144.2@1636.9,12980.24 R154.1@1721.9,12980.24 1721.9,12873.86 1745.6,12850.16 OP6.1@1799.37,12850.16 1754.37,12850.16 ; R144.2@1641.66,12965.24 1693.67,12971.93 ; R144.2@1641.66,12995.24 1693.67,12988.56 ; R154.1@1707.06,12977.99 1721.9,12930.24 R154.1@1736.73,12977.99 ; R154.1@1714.65,12965.41 1666.9,12980.24 ; R154.1@1714.65,12995.07 1666.9,12980.24 ; R154.1@1716.9,12980.24 1666.9,12980.24 ; OP6.1@1798.26,12840.22 1754.37,12850.16 ; OP6.1@1798.26,12860.09 1754.37,12850.16 ; R144.2@1641.9,12980.24 1693.67,12971.93 ; R144.2@1641.9,12980.24 1666.9,12980.24 ; R144.2@1641.9,12980.24 1693.67,12988.56 ; R144.2@1641.9,12980.24 1666.9,12980.24 ; R144.2@1641.9,12980.24 1691.9,12980.24 ; R144.2@1641.9,12980.24 1666.9,12980.24 ; R144.2@1641.9,12980.24 1691.9,12980.24 ; R144.2@1646.4,12965.93 1666.9,12980.24 ; R144.2@1646.37,12965.92 1693.67,12988.56 ; R144.2@1646.4,12965.93 1666.9,12980.24 ; R144.2@1646.4,12965.93 1666.9,12980.24 ; R144.2@1646.37,12994.56 1693.67,12971.93 ; R144.2@1646.4,12994.55 1666.9,12980.24 ; R144.2@1646.4,12994.55 1666.9,12980.24 ; R144.2@1646.4,12994.55 1666.9,12980.24 ; 1691.9,12980.24 1644.15,12995.07 1691.9,12980.24 ; 1691.9,12980.24 1644.15,12965.41 1691.9,12980.24
NetOP6_3: OP6.3 R145.2 R155.1 | length 732.8
  BottomLayer w10: R155.1@1799.26,12980.36 R145.2@1886.9,12980.36 1886.9,12929.22 1899.37,12916.75 ; R155.1@1804.26,12980.36 1854.26,12980.36 ; R155.1@1806.51,12965.53 1854.26,12980.36 ; R155.1@1806.51,12995.19 1854.26,12980.36 ; R145.2@1872.06,12978.11 1886.9,12930.36 R145.2@1901.73,12978.11 ; R145.2@1879.65,12965.53 1831.9,12980.36 ; R145.2@1879.65,12995.19 1831.9,12980.36 ; R145.2@1881.9,12980.36 1831.9,12980.36 ; OP6.3@1889.46,12881.52 1899.37,12916.75 ; OP6.3@1899.37,12850.16 1899.37,12916.75 ; OP6.3@1899.37,12880.16 1899.37,12916.75 ; OP6.3@1909.28,12881.52 1899.37,12916.75
NetOP6_5: OP6.5 R146.2 R156.1 | length 698.2
  BottomLayer w10: R156.1@1955.61,12977.84 1970.4,12935.72 ; R156.1@1975.4,12980.36 2025.4,12980.36 ; R156.1@1977.65,12965.53 2025.4,12980.36 ; R156.1@1977.65,12995.19 2025.4,12980.36 ; R156.1@1985.18,12977.84 1970.4,12935.72 ; OP6.5@1989.55,12882.04 1999.37,12906.75 ; OP6.5@1999.37,12850.16 1999.37,12906.75 ; OP6.5@1999.37,12880.16 1999.37,12906.75 ; OP6.5@2009.19,12882.04 1999.37,12906.75 ; R146.2@2049.35,12996.15 2001.88,12980.36 ; R146.2@2049.95,12966.49 2001.88,12980.36 ; R146.2@2051.9,12981.37 2001.88,12980.36 ; R146.2@2056.9,12981.37 2055.89,12980.36 R156.1@1970.4,12980.36 1970.4,12935.72 ; 1970.4,12935.72 1999.37,12906.75